# Altium PCB LAY-94611_B.PcbDoc (part 4 of 16)
Units mil, origin at the board's own origin, x right, y up, seen from the top; angles counter-clockwise.
Board outline 4133.86 x 2559.05 mil, 10 copper layers (TOP, GND02, ART03, PWR04, PWR05, ART06, GND7, ART08, GND09, BOTTOM), stack 57.82 mil thick; 1104 components, 727 nets, 3774 pads, 1630 vias.
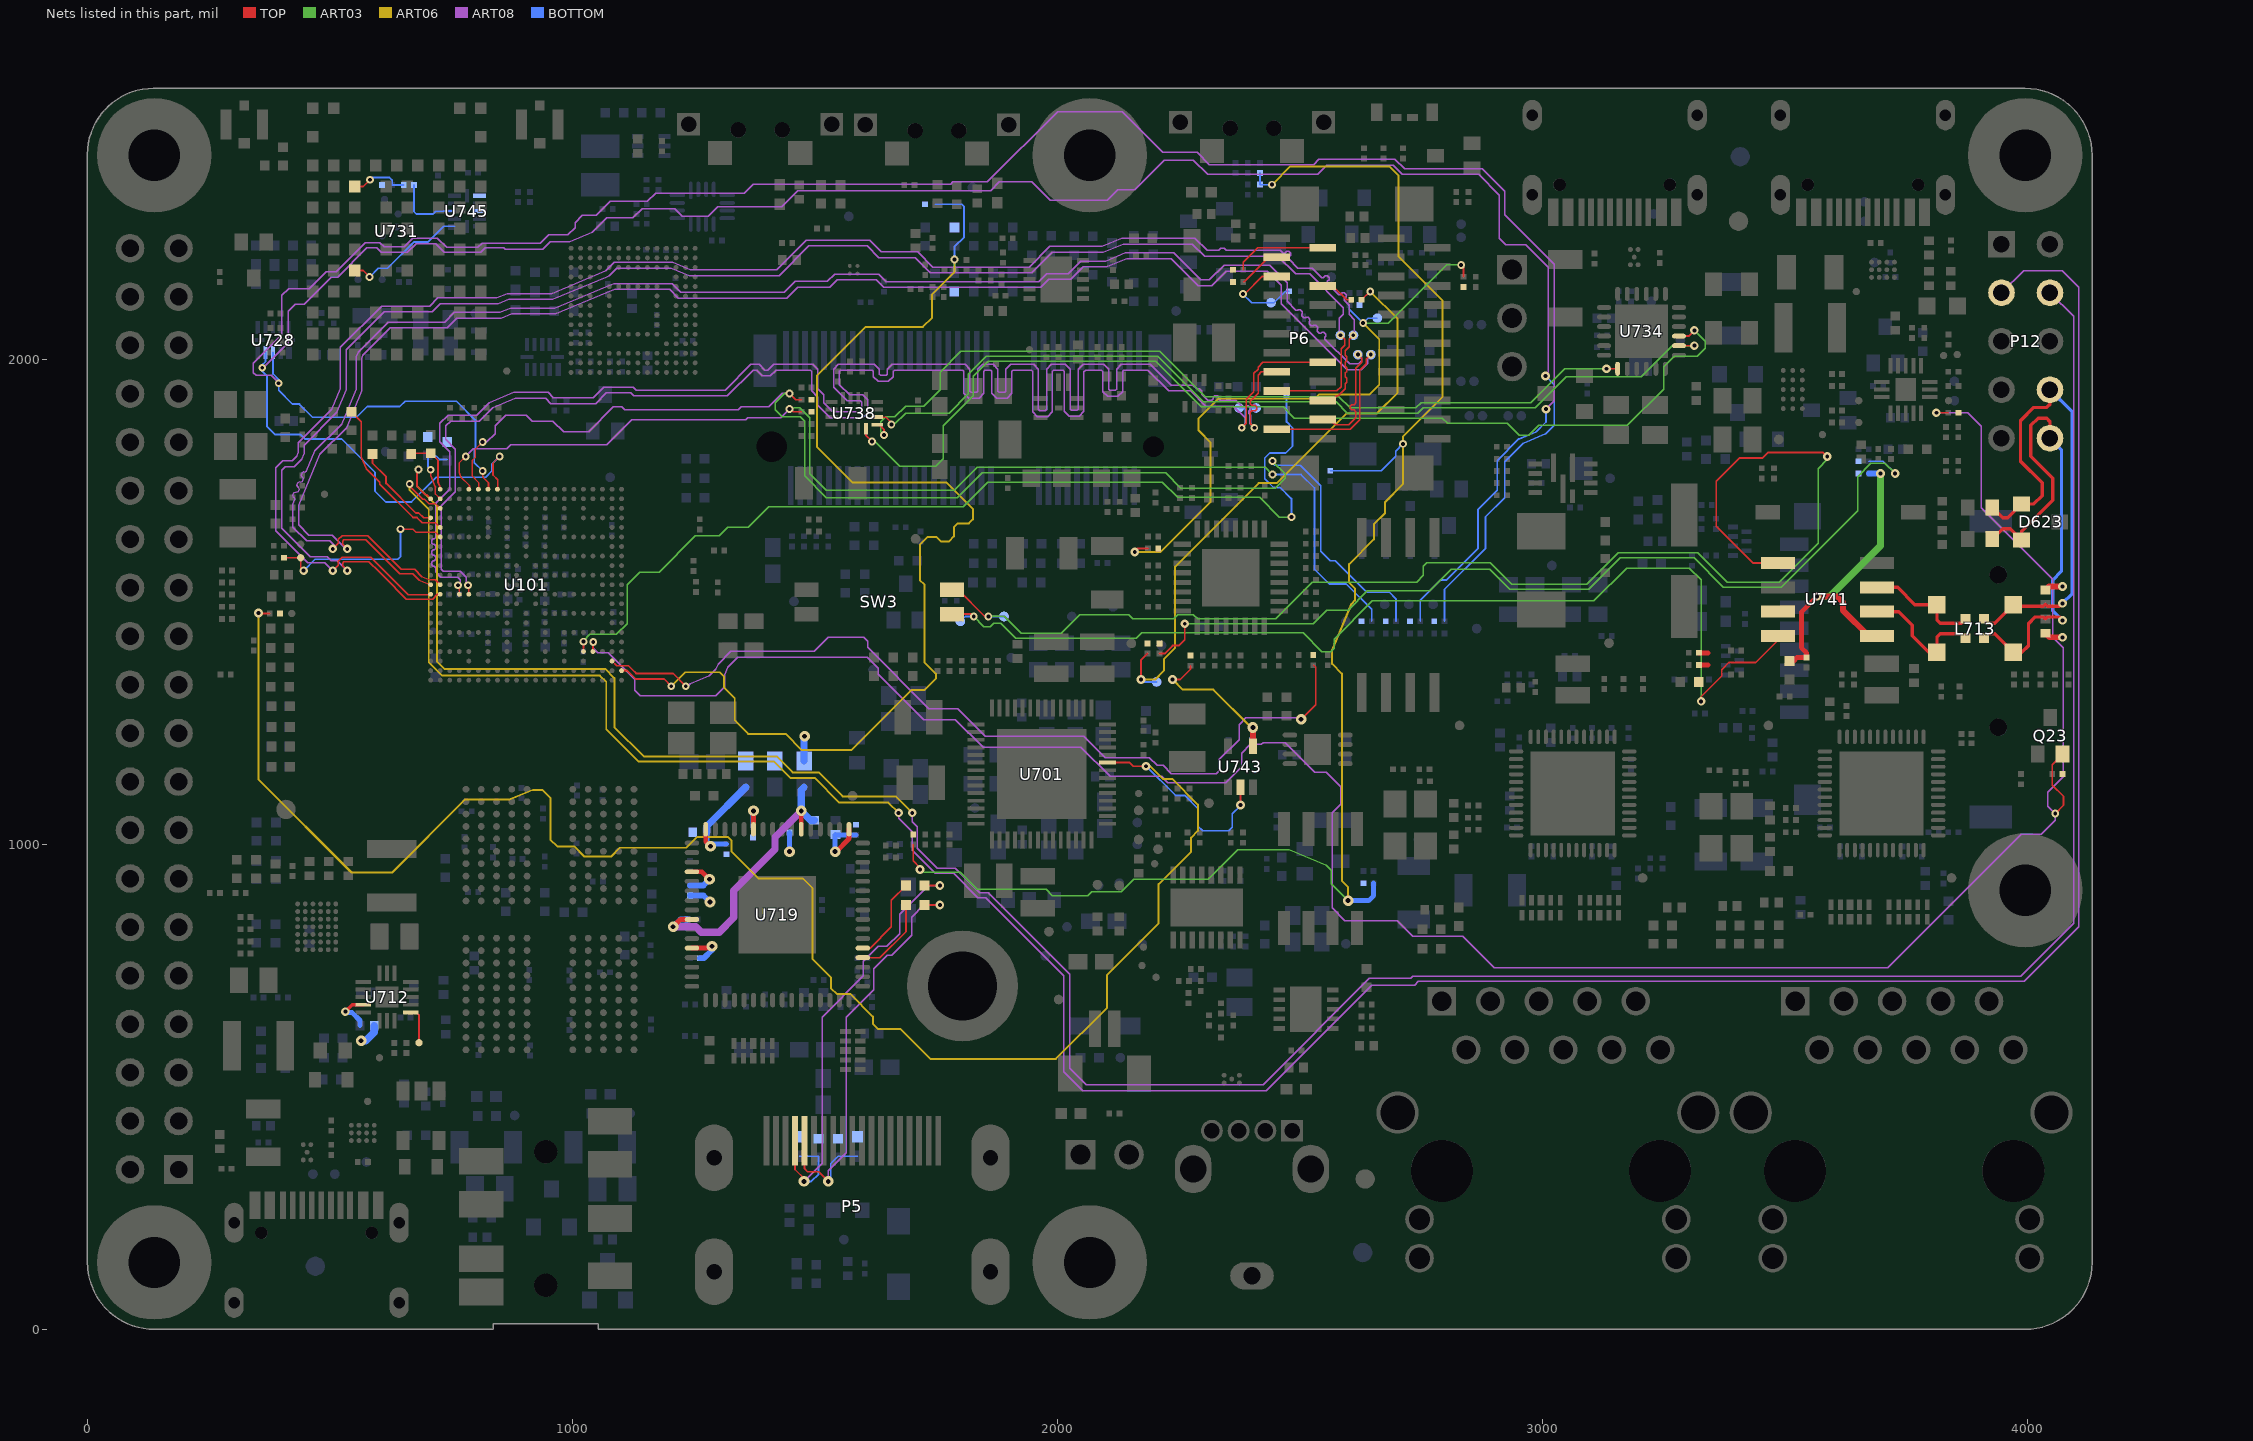
[diagram p12: the nets of this part, all layers, seen from the top]

## Part data (continued)
TP702 TP703 TP706 TP707 TP708 TP709 TP710 TP711 TP712 TP713 TP714 TP915 TP916 TP920 TP1022 TP1023 TP1024 TP1025 TP1026 TP1027 TP1028 TP1029 TP1030 TP1031 TP1032 TP1033 TP1034 TP1037 TP1038 TP1039 TP1040 TP1041 TP1042 TP1043 TP1046 TP1047 TP1048 TP1049 TP1050 TP1051 TP1052 TP1053 TP1054 TP1055 TP1056 TP1057 TP1058 TP1059 TP1060 TP1061 TP1062 TP1063 TP1064 TP1065 TP1066 TP1067 TP1068 TP1069 TP1070 TP1071 TP1072 TP1073 TP1074 TP1075 TP1076 TP1077 TP1078 TP1079 TP1080 TP1081 TP1082 TP1083 TP1084 TP1085 TP1086 TP1087 TP1088 TP1089 TP1090 TP1091 TP1092 TP1093 TP1094 TP1095: library part "T POINT R", "no part to order", ASSY_OPT=DNP, CAD_APPROVED=Yes, CLASS=IC, Height=0.1MM, MFG_NAME01="NOT A COMPONENT", MFG_PN01="NOT A COMPONENT", RoHS=Yes
  TP702: Part Reference=TP702, PCB Footprint=tpad_020
  TP703: Part Reference=TP703, PCB Footprint=tpad_020
  TP706: Part Reference=TP706, PCB Footprint=tpad_020
  TP707: Part Reference=TP707, PCB Footprint=tpad_020
  TP708: Part Reference=TP708, PCB Footprint=tpad_020
  TP709: Part Reference=TP709, PCB Footprint=tpad_020
  TP710: Part Reference=TP710, PCB Footprint=tpad_020
  TP711: Part Reference=TP711, PCB Footprint=tpad_020
  TP712: Part Reference=TP712, PCB Footprint=tpad_020
  TP713: Part Reference=TP713, PCB Footprint=tpad_020
  TP714: Part Reference=TP714, PCB Footprint=tpad_015
  TP915: Part Reference=TP915, PCB Footprint=tpad_020
  TP916: Part Reference=TP916, PCB Footprint=tpad_020
  TP920: Part Reference=TP920, PCB Footprint=tpad_020
  TP1022: Part Reference=TP1022, PCB Footprint=tpad_020
  TP1023: Part Reference=TP1023, PCB Footprint=tpad_020
  TP1024: Part Reference=TP1024, PCB Footprint=tpad_020
  TP1025: Part Reference=TP1025, PCB Footprint=tpad_020
  TP1026: Part Reference=TP1026, PCB Footprint=tpad_020
  TP1027: Part Reference=TP1027, PCB Footprint=tpad_020
  TP1028: Part Reference=TP1028, PCB Footprint=tpad_020
  TP1029: Part Reference=TP1029, PCB Footprint=tpad_020
  TP1030: Part Reference=TP1030, PCB Footprint=tpad_020
  TP1031: Part Reference=TP1031, PCB Footprint=tpad_020
  TP1032: Part Reference=TP1032, PCB Footprint=tpad_020
  TP1033: Part Reference=TP1033, PCB Footprint=tpad_020
  TP1034: Part Reference=TP1034, PCB Footprint=tpad_020
  TP1037: Part Reference=TP1037, PCB Footprint=tpad_020
  TP1038: Part Reference=TP1038, PCB Footprint=tpad_020
  TP1039: Part Reference=TP1039, PCB Footprint=tpad_020
  TP1040: Part Reference=TP1040, PCB Footprint=tpad_020
  TP1041: Part Reference=TP1041, PCB Footprint=tpad_020
  TP1042: Part Reference=TP1042, PCB Footprint=tpad_020
  TP1043: Part Reference=TP1043, PCB Footprint=tpad_020
  TP1046: Part Reference=TP1046, PCB Footprint=tpad_020
  TP1047: Part Reference=TP1047, PCB Footprint=tpad_020
  TP1048: Part Reference=TP1048, PCB Footprint=tpad_020
  TP1049: Part Reference=TP1049, PCB Footprint=tpad_020
  TP1050: Part Reference=TP1050, PCB Footprint=tpad_020
  TP1051: Part Reference=TP1051, PCB Footprint=tpad_020
  TP1052: Part Reference=TP1052, PCB Footprint=tpad_020
  TP1053: Part Reference=TP1053, PCB Footprint=tpad_020
  TP1054: Part Reference=TP1054, PCB Footprint=tpad_020
  TP1055: Part Reference=TP1055, PCB Footprint=tpad_020
  TP1056: Part Reference=TP1056, PCB Footprint=tpad_020
  TP1057: Part Reference=TP1057, PCB Footprint=tpad_020
  TP1058: Part Reference=TP1058, PCB Footprint=tpad_020
  TP1059: Part Reference=TP1059, PCB Footprint=tpad_020
  TP1060: Part Reference=TP1060, PCB Footprint=tpad_020
  TP1061: Part Reference=TP1061, PCB Footprint=tpad_020
  TP1062: Part Reference=TP1062, PCB Footprint=tpad_020
  TP1063: Part Reference=TP1063, PCB Footprint=tpad_020
  TP1064: Part Reference=TP1064, PCB Footprint=tpad_020
  TP1065: Part Reference=TP1065, PCB Footprint=tpad_020
  TP1066: Part Reference=TP1066, PCB Footprint=tpad_020
  TP1067: Part Reference=TP1067, PCB Footprint=tpad_020
  TP1068: Part Reference=TP1068, PCB Footprint=tpad_020
  TP1069: Part Reference=TP1069, PCB Footprint=tpad_020
  TP1070: Part Reference=TP1070, PCB Footprint=tpad_020
  TP1071: Part Reference=TP1071, PCB Footprint=tpad_020
  TP1072: Part Reference=TP1072, PCB Footprint=tpad_020
  TP1073: Part Reference=TP1073, PCB Footprint=tpad_020
  TP1074: Part Reference=TP1074, PCB Footprint=tpad_020
  TP1075: Part Reference=TP1075, PCB Footprint=tpad_020
  TP1076: Part Reference=TP1076, PCB Footprint=tpad_020
  TP1077: Part Reference=TP1077, PCB Footprint=tpad_020
  TP1078: Part Reference=TP1078, PCB Footprint=tpad_020
  TP1079: Part Reference=TP1079, PCB Footprint=tpad_020
  TP1080: Part Reference=TP1080, PCB Footprint=tpad_020
  TP1081: Part Reference=TP1081, PCB Footprint=tpad_020
  TP1082: Part Reference=TP1082, PCB Footprint=tpad_020
  TP1083: Part Reference=TP1083, PCB Footprint=tpad_020
  TP1084: Part Reference=TP1084, PCB Footprint=tpad_020
  TP1085: Part Reference=TP1085, PCB Footprint=tpad_020
  TP1086: Part Reference=TP1086, PCB Footprint=tpad_020
  TP1087: Part Reference=TP1087, PCB Footprint=tpad_020
  TP1088: Part Reference=TP1088, PCB Footprint=tpad_020
  TP1089: Part Reference=TP1089, PCB Footprint=tpad_020
  TP1090: Part Reference=TP1090, PCB Footprint=tpad_020
  TP1091: Part Reference=TP1091, PCB Footprint=tpad_020
  TP1092: Part Reference=TP1092, PCB Footprint=tpad_020
  TP1093: Part Reference=TP1093, PCB Footprint=tpad_020
  TP1094: Part Reference=TP1094, PCB Footprint=tpad_020
  TP1095: Part Reference=TP1095, PCB Footprint=tpad_020
U10: library part AT24C64D-MA9M_0, "FT24C256A-ENR-T,UDFN8", MFG_NAME01=ONSEMI, MFG_PN01=FT24C256A-ENR-T, Part Reference=U10, PCB Footprint=UDFN-8P
U101: library part MIMX9352DVNxLAA, "MIMX9352CVVXMAB,-40~105+C,11*11mm,0.5mm pitch,FCBGA,A,306pin,1.7GHz", CAD_APPROVED=Yes, CLASS=IC, FPLIST=skt_bga306_0p5_sq16p23_elast,skt_bga306_0p5_sq16p23_elast_nsp, Height=10.03MM, MFG_NAME01="NXP SEMICONDUCTORS", MFG_PN01=MIMX9352DVNxLAA, Part Reference=U101, PCB Footprint=skt_bga306_0p5_sq16p23_elast_nsp, RoHS=Yes
U201: library part MT53B768M32D4NQ_200P, "MT53E1G16D1ZW-046 WT:C,200-ball TFBGA,10x14.5,LPDDR4/LPDDR4x,2GB,-25+C~85+C,code:D8FCP", Temp Range="-40C to +105C¡ãC", Voltage=1.1V, CAD_APPROVED=Yes, CLASS=IC, Height=0.95MM, MFG_NAME01=MICRON, MFG_PN01="MT53E1G16D1ZW-046 WT:C", Part Reference=U201, PCB Footprint=bga200_0p65x0p8_10x14p5, PRE_APN=334-77894, RoHS=Yes, SPLIT_INST=TRUE, SWAP_INFO=(S1+S2), Temp_Range="-40C to +105C¡ãC"
U501: library part SDINBDA6_32G_I_VFBGA_153P, "FEMDRM032G-A3A55,153FBGA,eMMC5.1,32GB,-25~85+C", Temp Range="-25¡ãC to 85¡ãC", CAD_APPROVED=Yes, CLASS=IC, Height=1MM, MFG_NAME01=FORESEE, MFG_PN01=FEMDRM032G-A3A55, Part Reference=U501, PCB Footprint=fbga153_0p5_11p5x13, RoHS=Yes
U701: "PCA9451AHN,HVQFN56", Package Size=7x7, 3D_Mechanical_Footprint_File=ftp://fcl.am.freescale.net/ALLEGRO/step/hvqfn56_0p4_7x7_ep4p7mm.step, CAD_APPROVED=Yes, CLASS=IC, Height=1MM, MFG_NAME01="NXP SEMICONDUCTORS", MFG_PN01=PCA9451AHNY, Part Reference=U701, PCB Footprint=hvqfn56_0p4_7x7_ep4p7mm, PRE_APN=315-83273, RoHS=Yes, SPLIT_INST=TRUE, SWAP_INFO=(S1+S2+S3)
U702: library part MP8759_6, MFG_NAME01=MPS, MFG_PN01=MP8759, Part Reference=U702, PCB Footprint=qfn12_0p5_3p1x2p1
U703: "FDS4435BZ,SO-8,PMOS", MFG_NAME01=onsemi, MFG_PN01=FDS4435BZ, Part Reference=U703, PCB Footprint=SOP8_1_27
U704: library part NX20P5090UK_15P_A, "IC USB PWR SW 5A 2.5-20V WLCSP15", Manufacturer="NXP Semiconductors", CLASS=IC, Manufacturer Part Number=NX20P5090UK, MFG_NAME01="NXP SEMICONDUCTORS", MFG_PN01=NX20P5090UKAZ, Part Reference=U704, PCB Footprint=wlcsp15_0p5_1p57x2p59
U705 U712: library part PTN5110_QFN16, "IC USB PD PHY 1PORT 2.7-5.5V HX2QFN16", Temp Range="¨C40C to +85C", Voltage=2.7-5.5V, CAD_APPROVED=Yes, CLASS=IC, Height=0.4MM, MFG_NAME01="NXP SEMICONDUCTORS", MFG_PN01=PTN5110NHQZ, PCB Footprint=hx2qfn16_0p4_2p7x2p7, RoHS=Yes, Temp_Range="¨C40C to +85C"
  U705: Part Reference=U705
  U712: Part Reference=U712
U706 U709: library part NX20P0407_WLCSP12_A, "IC USB TYPE C PROTECTION +15KV/+8KV ESD WLCSP12", Manufacturer="NXP Semiconductors", Manufacturer Part Number=NX20P5090UK, Temp Range="-40C to +85C", Voltage=+15KV/+8KV, CAD_APPROVED=Yes, CLASS=IC, Height="0.565 MM", MFG_NAME01="NXP SEMICONDUCTORS", MFG_PN01=NX20P0407, PCB Footprint=wlcsp12_0p4_1p3x1p7mm_smdp, PRE_APN=312-81846, RoHS=Yes
  U706: Part Reference=U706
  U709: Part Reference=U709
U707: library part SGM2034-3_0.3YN3G, "TLV76033DBZR,SOT23-3,Fixed output linear voltage regulator, up to 30V input, 100mA output, 3.3V output", MFG_NAME01=Nexperia, MFG_PN01=TLV76033DBZR, Part Reference=U707, PCB Footprint=sot23_a
U708: "SGM8709YN5G/TR,SOT-23-5,Single channel comparator", Temp Range="-40C to +85C", Voltage=1.4-5.5V, CAD_APPROVED=Yes, CLASS=IC, Height=1.25MM, MFG_NAME01=SGMICRO, MFG_PN01=SGM8709YN5G/TR, Part Reference=U708, PCB Footprint=SOT-23-5, RoHS=Yes, Temp_Range="-40C to +85C"
U710: library part NX20P3483UK_42P, "IC USB PD/TYPE-C PWR Sink/Source Combo SW 5A 2.8-20V WLCSP42", Manufacturer="NXP Semiconductors", Manufacturer Part Number=NX20P5090UK, Temp_Range="-40C to +85C", CAD_APPROVED=Yes, CLASS=IC, Height=0.565MM, MFG_NAME01="NXP SEMICONDUCTORS", MFG_PN01=NX20P3483UK, Part Reference=U710, PCB Footprint=wlcsp42_0p4_2p94x2p54_smdp, PRE_APN=315-81752, RoHS=Yes
U711 U735 U736: library part PESD1USB30_5P, "IC EMI FILTER ESD PROTECTION 15kV/LINE WLCSP5", Manufacturer="NXP Semiconductors", Manufacturer Part Number=PESD1USB30, 3D_Mechanical_Footprint_File=http://fcl.am.freescale.net/ALLEGRO/step/wlcsp5_0p4_0p82x1p22.STEP, CAD_APPROVED=Yes, CLASS=IC, Height=0.6MM, MFG_NAME01=NEXPERIA, MFG_PN01=PCMF1USB3SZ, PCB Footprint=wlcsp5_0p4_0p82x1p22, RoHS=Yes
  U711: Part Reference=U711
  U735: Part Reference=U735
  U736: Part Reference=U736
U714: library part TPD4E05U06DQAR_6, "TPD4E05U06DQAR,USON", MFG_NAME01=TI, MFG_PN01=TPD4E05U06DQAR, Part Reference=U714, PCB Footprint=USON-10
U715: library part TPD4E05U06DQAR_7, "TPD4E05U06DQAR,USON", MFG_NAME01=TI, MFG_PN01=TPD4E05U06DQAR, Part Reference=U715, PCB Footprint=USON-10
U717: library part TPD4E05U06DQAR_8, "TPD4E05U06DQAR,USON", MFG_NAME01=TI, MFG_PN01=TPD4E05U06DQAR, Part Reference=U717, PCB Footprint=USON-10
U718: library part TPD4E05U06DQAR_9, "TPD4E05U06DQAR,USON", MFG_NAME01=TI, MFG_PN01=TPD4E05U06DQAR, Part Reference=U718, PCB Footprint=USON-10
U719: "IT6263FN,QFN64,9*9mm,LVDS to HDMI", MFG_NAME01=ITE, MFG_PN01=IT6263FN, Part Reference=U719, PCB Footprint=qfn64_0p5_9x9_157ep
U720: library part TPD4E05U06DQAR_10, "TPD4E05U06DQAR,USON", MFG_NAME01=TI, MFG_PN01=TPD4E05U06DQAR, Part Reference=U720, PCB Footprint=USON-10
U721: library part TPD4E05U06DQAR_5, "TPD4E05U06DQAR,USON", MFG_NAME01=TI, MFG_PN01=TPD4E05U06DQAR, Part Reference=U721, PCB Footprint=USON-10
U722: library part MBR0540_0, "MBR0540,SOD123", MFG_NAME01=Cystek, MFG_PN01=MBR0540, Part Reference=U722, PCB Footprint=SOD_123
U723 U730: "MP1605GTF,SOT563", MFG_NAME01=MPS, MFG_PN01=MP1605GTF, PCB Footprint=SOT563
  U723: Part Reference=U723
  U730: Part Reference=U730
U724: library part NLSX5011_0, "NLSX5011MUTCG,UDFN6,1.2*1.0,0.4P,One 100Mb/s configurable dual power level converter", Package Size="1.2x1x0.55 mm", Temp Range="-55¡ãC to +125¡ãC", Voltage=0.9-4.5V, 3D_Mechanical_Footprint_File=ftp://fcl.am.freescale.net/ALLEGRO/step/udfn6_0p4_1p2x1.STEP, CAD_APPROVED=Yes, CLASS=IC, Height=0.55MM, MFG_NAME01="ON Semiconductor", MFG_PN01=NLSX5011MUTCG, Part Reference=U724, PCB Footprint=udfn6_0p4_1p2x1, RoHS=Yes
U725: library part PCAL6524HE_QFN, "PCAL6524HEAZ,QFN32", Temp Range="-40C to +85C", Voltage=0.8-3.6V/1.65-5.5, 3D_Mechanical_Footprint_File=ftp://fcl.am.freescale.net/ALLEGRO/step/uqfn32_0p5_5x5_ep3x3.step, CAD_APPROVED=Yes, CLASS=IC, Height=0.6MM, MFG_NAME01="NXP SEMICONDUCTORS", MFG_PN01=PCAL6524HEAZ, Part Reference=U725, PCB Footprint=uqfn32_0p5_5x5_ep3x3, RoHS=Yes
U726: library part MP2147GD_QFN_11P, CAD_APPROVED=Yes, CLASS=IC, Height=1MM, MFG_NAME01=MPS, MFG_PN01=MP2147GD, Part Reference=U726, PCB Footprint=qfn12_0p5_2x3mm_ep, RoHS=Yes
U728 U729 U745: library part TXB0304RUT_12P_B_0, "74AVC4T3144GU12,XQFN12,1.70*2.0,4-bit dual-supply buffer/level translator;3-state", Voltage=0.9-3.6V, 3D_Mechanical_Footprint_File=ftp://fcl.am.freescale.net/ALLEGRO/step/uqfn12_1p7x2mm.STEP, CAD_APPROVED=Yes, CLASS=IC, Height="0.55 MM", MFG_NAME01=NXP, MFG_PN01=74AVC4T3144, PCB Footprint=uqfn12_1p7x2mm, RoHS=Yes
  U728: Part Reference=U728
  U729: Part Reference=U729
  U745: Part Reference=U745
U731: "MAYA-W276,LGA86,10.4*14.3*2.0mm,0-70+C(SDIO,UART,SPI)", MFG_NAME01=Ublox, MFG_PN01=MAYA-W276, Part Reference=U731, PCB Footprint=MAYA-W2
U732: library part "CW3301_Load Switch", "SGM2575AD,WLCSP_4B,0.8*0.8mm,-40~85+C", MFG_NAME01=SGMICRO, MFG_PN01=SGM2575, Option=/TCS9719, Part Reference=U732, PCB Footprint=WLCSP_0_8_4B
U733: library part SGM2526_2, "SGM2526YTD10G/TR,TDFN-3x3-10L,-40+C~85+C,Imax 5A", MFG_NAME01=SGMICRO, MFG_PN01=SGM2526, Part Reference=U733, PCB Footprint=tdfn_3x3_10l
U737: library part SGM2034-3_1.3YN3G, "TLV76033DBZR,SOT23-3,Fixed output linear voltage regulator, up to 30V input, 100mA output, 3.3V output", MFG_NAME01=Nexperia, MFG_PN01=TLV76033DBZR, Part Reference=U737, PCB Footprint=sot23_a
U738: "SN74AVC4T245RSVR,UQFN16_2.6x1.8mm", MFG_NAME01=TI, MFG_PN01=SN74AVC4T245RSVR, Part Reference=U738, PCB Footprint=UQFN16_26x18
U740: library part PCF2131_4, "PCF2131TF,HLSON16,Nano-power highly accurate RTC with integrated quartz crystal", CAD_APPROVED=Yes, CLASS=IC, Height=1.75MM, MFG_NAME01=Nexperia, MFG_PN01=PCF2131TF, Part Reference=U740, PCB Footprint=so16_0p5_3p5x4p5_mm, RoHS=Yes
U741: "TJA1051T/3,SO8", MFG_NAME01="NXP SEMICONDUCTORS", MFG_PN01=TJA1051T/3, Part Reference=U741, PCB Footprint=SOP8_1_27
U742: library part SGM2526_3, "SGM2526YTD10G/TR,TDFN-3x3-10L,-40+C~85+C,Imax 5A", MFG_NAME01=SGMICRO, MFG_PN01=SGM2526, Part Reference=U742, PCB Footprint=tdfn_3x3_10l
U743: "74AUP1G07GW,TSSOP5,1.2*2mm,Low-power buffer with open-drain output", Voltage=0.8-3.6V, CAD_APPROVED=Yes, CLASS=IC, Height=1.1MM, MFG_NAME01=TI, MFG_PN01=74AUP1G07GW, Part Reference=U743, PCB Footprint=sc70-5, RoHS=Yes
U746: library part MBR0540_1, "MBR0540,SOD123", MFG_NAME01=Cystek, MFG_PN01=MBR0540, Part Reference=U746, PCB Footprint=SOD_123
U747: library part MBR0540_2, "MBR0540,SOD123", MFG_NAME01=Cystek, MFG_PN01=MBR0540, Part Reference=U747, PCB Footprint=SOD_123
U748: "PCAL6408AHK,XQFN16,-40~85+C,I2C Extended 8-bit GPIO", MFG_NAME01=NXP, MFG_PN01=PCAL6408AHK, Part Reference=U748, PCB Footprint=XQFN16
Y401: library part XTAL_13, "Crystal,24MHZ,4P,3.2*2.5mm,+/-20ppm,12pF", CAD_APPROVED=Yes, CLASS=IC, Height=0.60MM, MFG_NAME01="Dongxin Hengke", MFG_PN01=SE24000G33D, Part Reference=Y401, PCB Footprint=xtlosc4_3p2x2p5mm_sm, RoHS=Yes
Y402 Y403: library part CRYSTAL_4P-TSX-3225, "Crystal,25MHZ,4P,3.2*2.5mm,+/-20ppm,20pf", MFG_NAME01="Dongxin Hengke", MFG_PN01=SE25000O33D, PCB Footprint=xtlosc4_3p2x2p5mm_sm, serial number=1110601039
  Y402: Part Reference=Y402
  Y403: Part Reference=Y403
Y404: library part XTAL_13, "Crystal,27MHZ,4P,3.2*2.5mm,+/-20ppm,20pf", CAD_APPROVED=Yes, CLASS=IC, Height=0.60MM, MFG_NAME01=SCTF, MFG_PN01=SX5B27.000F2020F30, Part Reference=Y404, PCB Footprint=xtlosc4_3p2x2p5mm_sm, RoHS=Yes
D602: MFG_NAME01=WILLSEMI, MFG_PN01=ESD5451N-2/TR, Part Reference=D602, PCB Footprint=0402TVS
D604: MFG_NAME01=WILLSEMI, MFG_PN01=ESD5451N-2/TR, Part Reference=D604, PCB Footprint=0402TVS
D605: MFG_NAME01=WILLSEMI, MFG_PN01=ESD5451N-2/TR, Part Reference=D605, PCB Footprint=0402TVS
D609: MFG_NAME01=WILLSEMI, MFG_PN01=ESD5451N-2/TR, Part Reference=D609, PCB Footprint=0402TVS
D615: MFG_NAME01=WILLSEMI, MFG_PN01=ESD5451N-2/TR, Part Reference=D615, PCB Footprint=0402TVS
D616: MFG_NAME01=Nexperia, MFG_PN01=PUSB3AB6Z, Part Reference=D616, PCB Footprint=DFN2111_7
D617: MFG_NAME01=Nexperia, MFG_PN01=PUSB3AB6Z, Part Reference=D617, PCB Footprint=DFN2111_7
D619: MFG_NAME01=WILLSEMI, MFG_PN01=ESD5451N-2/TR, Part Reference=D619, PCB Footprint=0402TVS
D620: MFG_NAME01=WILLSEMI, MFG_PN01=ESD5451N-2/TR, Part Reference=D620, PCB Footprint=0402TVS
D626: MFG_NAME01=WILLSEMI, MFG_PN01=ESD5451N-2/TR, Part Reference=D626, PCB Footprint=0402TVS
D628: MFG_NAME01=WILLSEMI, MFG_PN01=ESD5451N-2/TR, Part Reference=D628, PCB Footprint=0402TVS
U713: MFG_NAME01=MotorComm, MFG_PN01=YT8521SH-CA, Part Reference=U713, PCB Footprint=QFN48P_0_4BSC_6x6_H
U716: MFG_NAME01=MotorComm, MFG_PN01=YT8521SH-CA, Part Reference=U716, PCB Footprint=QFN48P_0_4BSC_6x6_H
U734: MFG_NAME01=WCH, MFG_PN01=CH342F, Part Reference=U734, PCB Footprint=QFN24P_0_5

## Free pads (board coordinates)
  round 40 smd: 1(409.4,1072.16) 1(2635,310) 1(3405,2285)
  round 40 smd far side: 1(470,130) 1(2629.9,158.16) 1(3408.4,2418.16)

## Via types
v1: diameter 16/16/0/0/0/0/16/0/16/16 (per signal layer), hole 8, TOP to BOTTOM, tented both sides, 177 vias
v2: diameter 22/22/0/0/0/0/22/0/22/22 (per signal layer), hole 10, TOP to BOTTOM, tented both sides, 156 vias
v3: diameter 16/0/16/0/0/0/0/0/0/16 (per signal layer), hole 8, TOP to BOTTOM, tented both sides, 137 vias
v4: diameter 16/0/0/0/0/16/0/0/0/16 (per signal layer), hole 8, TOP to BOTTOM, tented both sides, 94 vias
v5: diameter 16, hole 8, TOP to BOTTOM, tented both sides, 88 vias
v6: diameter 18/0/0/0/0/0/0/18/0/18 (per signal layer), hole 8, TOP to BOTTOM, tented both sides, 84 vias
v7: diameter 22, hole 10, TOP to BOTTOM, tented both sides, 83 vias
v8: diameter 18, hole 8.1, TOP to BOTTOM, tented both sides, 78 vias
v9: diameter 16/0/0/0/0/0/0/16/0/16 (per signal layer), hole 8, TOP to BOTTOM, tented both sides, 77 vias
v10: diameter 18/18/0/0/0/0/18/0/18/18 (per signal layer), hole 8, TOP to BOTTOM, tented both sides, 62 vias
v11: diameter 18/0/18/0/0/0/0/0/0/18 (per signal layer), hole 8, TOP to BOTTOM, tented both sides, 50 vias
v12: diameter 16/0/0/16/0/0/0/0/0/16 (per signal layer), hole 8, TOP to BOTTOM, tented both sides, 49 vias
v13: diameter 22/0/0/0/22/0/0/0/0/22 (per signal layer), hole 10, TOP to BOTTOM, tented both sides, 49 vias
v14: diameter 22/0/22/0/0/0/0/0/0/22 (per signal layer), hole 10, TOP to BOTTOM, tented both sides, 48 vias
v15: diameter 18, hole 8, TOP to BOTTOM, tented both sides, 47 vias
v16: diameter 16/0/0/0/16/0/0/0/0/16 (per signal layer), hole 8, TOP to BOTTOM, tented both sides, 40 vias
v17: diameter 22/0/0/22/0/0/0/0/0/22 (per signal layer), hole 10, TOP to BOTTOM, tented both sides, 40 vias
v18: diameter 22/0/0/0/0/0/0/22/0/22 (per signal layer), hole 10, TOP to BOTTOM, tented both sides, 31 vias
v19: diameter 22/0/0/0/0/22/0/0/0/22 (per signal layer), hole 10, TOP to BOTTOM, tented both sides, 30 vias
v20: diameter 18/0/0/0/0/18/0/0/0/18 (per signal layer), hole 8, TOP to BOTTOM, tented both sides, 27 vias
v21: diameter 16/16/16/0/0/0/0/0/0/16 (per signal layer), hole 8, TOP to BOTTOM, tented both sides, 24 vias
v22: diameter 16/0/16/0/0/16/0/0/0/16 (per signal layer), hole 8, TOP to BOTTOM, tented both sides, 14 vias
v23: diameter 22/22/0/22/0/0/22/0/22/22 (per signal layer), hole 10, TOP to BOTTOM, tented both sides, 14 vias
v24: diameter 16/16/16/0/0/0/16/0/16/16 (per signal layer), hole 8, TOP to BOTTOM, tented both sides, 11 vias
v25: diameter 18/0/0/0/0/18/0/18/0/18 (per signal layer), hole 8, TOP to BOTTOM, tented both sides, 11 vias
v26: diameter 18/0/0/18/0/0/0/0/0/18 (per signal layer), hole 8, TOP to BOTTOM, tented both sides, 11 vias
v27: diameter 18/0/0/0/18/0/0/0/0/18 (per signal layer), hole 8, TOP to BOTTOM, tented both sides, 10 vias
v28: diameter 16/0/16/0/0/0/0/16/0/16 (per signal layer), hole 8, TOP to BOTTOM, tented both sides, 8 vias
v29: diameter 16/16/0/16/0/0/16/0/16/16 (per signal layer), hole 8, TOP to BOTTOM, tented both sides, 8 vias
v30: diameter 18/18/0/18/0/0/18/0/18/18 (per signal layer), hole 8, TOP to BOTTOM, tented both sides, 6 vias
v31: diameter 22/0/0/0/22/22/0/0/0/22 (per signal layer), hole 10, TOP to BOTTOM, tented both sides, 6 vias
v32: diameter 16/0/16/16/0/0/0/0/0/16 (per signal layer), hole 8, TOP to BOTTOM, tented both sides, 5 vias
v33: diameter 18/18/0/18/18/0/18/0/18/18 (per signal layer), hole 8, TOP to BOTTOM, tented both sides, 5 vias
v34: diameter 16/0/0/0/0/16/0/16/0/16 (per signal layer), hole 8, TOP to BOTTOM, tented both sides, 4 vias
v35: diameter 22/0/22/22/0/0/0/0/0/22 (per signal layer), hole 10, TOP to BOTTOM, tented both sides, 4 vias
v36: diameter 16/0/16/16/0/16/0/0/0/16 (per signal layer), hole 8, TOP to BOTTOM, tented both sides, 3 vias
v37: diameter 22/22/0/0/22/0/22/0/22/22 (per signal layer), hole 10, TOP to BOTTOM, tented both sides, 3 vias
v38: diameter 22/0/0/22/22/22/0/0/0/22 (per signal layer), hole 10, TOP to BOTTOM, tented both sides, 3 vias
v39: diameter 22/0/22/0/0/22/0/0/0/22 (per signal layer), hole 10, TOP to BOTTOM, tented both sides, 3 vias
v40: diameter 22/0/22/0/0/0/0/22/0/22 (per signal layer), hole 10, TOP to BOTTOM, tented both sides, 3 vias
v41: diameter 16/0/16/0/16/0/0/0/0/16 (per signal layer), hole 8, TOP to BOTTOM, tented both sides, 3 vias
v42: diameter 22/22/0/22/22/0/22/0/22/22 (per signal layer), hole 10, TOP to BOTTOM, tented both sides, 2 vias
v43: diameter 18/0/18/0/0/0/0/18/0/18 (per signal layer), hole 8, TOP to BOTTOM, tented both sides, 2 vias
v44: diameter 22/0/0/22/0/22/0/0/0/22 (per signal layer), hole 10, TOP to BOTTOM, tented both sides, 2 vias
v45: diameter 22/0/0/0/0/22/0/22/0/22 (per signal layer), hole 10, TOP to BOTTOM, tented both sides, 2 vias
v46: diameter 22/0/22/0/22/0/0/0/0/22 (per signal layer), hole 10, TOP to BOTTOM, tented both sides, 2 vias
v47: diameter 22/0/0/22/22/0/0/0/0/22 (per signal layer), hole 10, TOP to BOTTOM, tented both sides, 2 vias
v48: diameter 16/0/0/16/0/16/0/0/0/16 (per signal layer), hole 8, TOP to BOTTOM, tented both sides, 1 vias
v49: diameter 18/0/18/0/0/18/0/0/0/18 (per signal layer), hole 8, TOP to BOTTOM, tented both sides, 1 vias
v50: diameter 18/18/0/0/18/0/18/0/18/18 (per signal layer), hole 8, TOP to BOTTOM, tented both sides, 1 vias
v51: diameter 16/16/0/16/16/0/16/0/16/16 (per signal layer), hole 8, TOP to BOTTOM, tented both sides, 1 vias
v52: diameter 18/0/18/0/18/0/0/0/0/18 (per signal layer), hole 8, TOP to BOTTOM, tented both sides, 1 vias
v53: diameter 18/0/0/0/18/18/0/0/0/18 (per signal layer), hole 8, TOP to BOTTOM, tented both sides, 1 vias
v54: diameter 22/0/22/0/22/22/0/22/0/22 (per signal layer), hole 10, TOP to BOTTOM, tented both sides, 1 vias
v55: diameter 22/0/0/0/22/22/0/22/0/22 (per signal layer), hole 10, TOP to BOTTOM, tented both sides, 1 vias
v56: diameter 16/16/16/0/0/0/16/0/0/16 (per signal layer), hole 8, TOP to BOTTOM, tented both sides, 1 vias
v57: diameter 22/0/0/22/0/0/0/22/0/22 (per signal layer), hole 10, TOP to BOTTOM, tented both sides, 1 vias
v58: diameter 16/0/0/0/16/16/0/0/0/16 (per signal layer), hole 8, TOP to BOTTOM, tented both sides, 1 vias
v59: diameter 16/0/0/16/16/0/0/0/0/16 (per signal layer), hole 8, TOP to BOTTOM, tented both sides, 1 vias

## Nets (pads, with @x,y where several pads share a name; then routed paths per layer and width w, separated by ;. In a path a pad name is that pad's centre, name@x,y a point inside that pad or via, vN(x,y) a via of type N, cw(c..) or ccw(c..) an arc to the next point about the centre after c; other vN are vias at no path point)
#BOOT_MODE0: R2586.2 R2973.1 U101.E21 | length 2420.1
  TOP w3.2: v9(780.01,1800) 766.3,1786.29 766.3,1766.82 770.06,1757.74 787.85,1739.95 787.85,1733.7 U101.E21@786.49,1732.34
  TOP w3.62: v28(1447.8,1898) 1449.8,1898 1455.8,1892 1472.29,1892
  ART03 w3.09: v28(1447.8,1898) 1449.8,1900 1468.8,1900 1489.2,1879.6 1489.2,1764.31 1523.31,1730.2 1787.99,1730.2 1835.29,1777.5 2428.9,1777.5 v3(2443.8,1762.6)
  ART08 w3.09: v9(780.01,1800) 795.51,1815.5 864.3,1815.5 872.8,1824 1070.8,1824 1122.48,1875.68 1357.48,1875.68 1361.8,1880 1429.8,1880 v28(1447.8,1898)
  BOTTOM w3.62: v3(2443.8,1762.6) 2502.66,1762.6 2530.4,1734.86 2530.4,1567.41 2560.81,1537 2595.8,1537 2648.31,1484.49 2648.31,1460
#BOOT_MODE1: R2587.2 R2972.1 U101.F21 | length 2691.6
  TOP w3.2: U101.F21@806.17,1732.34 806.65,1732.82 806.65,1746.15 793.8,1759 793.8,1792 799.4,1797.6 799.4,1814.39 v9(815.01,1830)
  TOP w3.62: v28(1447.8,1930) 1460.8,1917 1472.29,1917
  ART03 w3.09: v28(1447.8,1930) 1437.8,1930 1418.8,1911 1418.8,1896 1432.8,1882 1469.8,1882 1478.8,1873 1478.8,1760 1524,1714.8 1793.6,1714.8 1844.8,1766 2223.79,1766 2255.04,1734.75 2449.55,1734.75 2469.8,1755 2469.8,1764.5 v3(2443.8,1790.5)
  ART08 w3.09: v9(815.01,1830) 823.81,1830 840.8,1846.99 840.8,1863 862.3,1884.5 905.3,1884.5 916.8,1873 959.8,1873 981.8,1851 1033.8,1851 1084.8,1902 1101.8,1902 1107.94,1895.86 1341.66,1895.86 1347.8,1902 1404.8,1902 1432.8,1930 v28(1447.8,1930)
  BOTTOM w3.62: v3(2443.8,1790.5) 2443.8,1786.2 2448,1782 2500.8,1782 2543.4,1739.4 2543.4,1604.4 2562.8,1585 2573.31,1585 2638.31,1520 2685,1520 2698.31,1506.69 2698.31,1460
#BOOT_MODE2: R2589.2 U101.G21 U728.3 | length 4787.9
  TOP w3.2: v5(815.01,1770) 815.01,1757.8 827.09,1745.72 827.09,1733.57 U101.G21@825.86,1732.34
  ART08 w3.09: v9(394.3,1950.99) 394.3,1951.74 379.04,1967 347.8,1967 341.8,1973 341.8,1992.01 400.8,2051.01 400.8,2132.01 414.79,2146 457.8,2146 492.8,2181 512.8,2181 572.8,2241 602.8,2241 611.8,2232 652.8,2232 670.8,2250 721.8,2250 740.8,2231 804.8,2231 813.8,2240 933.8,2240 950.8,2257 990.8,2257 1005.8,2272 1005.8,2282 1020.8,2297 1048.8,2297 1077.8,2326 1154.8,2326 1171.8,2343 1354.8,2343 1372.8,2361 1779.8,2361 1784.8,2366 1855.8,2366 2000.8,2511 2133.8,2511 2217.8,2427 2288.8,2427 2313.8,2402 2528.51,2402 2539.51,2413 2696.36,2413 2716.36,2393 2876.8,2393 2922.8,2347 2922.8,2298 3024.8,2196 3024.8,1914.5 v6(3007.8,1897.5)
  BOTTOM w3.62: U728.3@382.8,2014.21 382.8,1970 394.55,1958.25 394.55,1951.24 v9(394.3,1950.99) 394.55,1950.74 394.55,1936.24 422.89,1907.9 437.1,1907.9 464,1881 554.8,1881 576.9,1903.1 644.1,1903.1 655,1914 761,1914 800,1875 800,1817.2 797.8,1815 797.8,1787.21 v5(815.01,1770) ; 2748.31,1460 2748.31,1503.31 2790,1545 2801.92,1545 2867.8,1610.88 2867.8,1691 2907.3,1730.5 2907.3,1791.5 2951.89,1836.09 2987.74,1850.94 3007.8,1871 v6(3007.8,1897.5)
#BOOT_MODE3: R2590.2 U101.H21 U728.4 | length 4789.3
  TOP w3.2: U101.H21@845.54,1732.34 845.89,1732.69 845.89,1751.91 836.3,1761.5 836.3,1786.29 v5(850.01,1800)
  ART08 w3.09: v9(360.55,1983) 362.56,1983 413.8,2034.24 413.8,2099 428.8,2114 446.8,2114 502.8,2170 515.8,2170 575.8,2230 596.8,2230 605.8,2221 659.8,2221 677.8,2239 717.8,2239 735.8,2221 810.8,2221 820.3,2230.5 858.3,2230.5 861.8,2227 938.8,2227 954.8,2243 994.59,2243 1041.04,2262.24 1070.8,2292 1124.8,2292 1143.8,2311 1210.8,2311 1226.8,2295 1279.8,2295 1299.8,2315 1431.8,2315 1464.8,2348 1862.8,2348 1880.8,2366 1947.8,2366 1985.8,2328 2102.8,2328 2124.8,2350 2159.8,2350 2220.8,2411 2280.8,2411 2309.8,2382 2536.8,2382 2555.8,2401 2692.8,2401 2711.8,2382 2868.8,2382 2911.8,2339 2911.8,2250 2924.8,2237 2965.8,2237 3012.8,2190 3012.8,1972 v6(3006.8,1966)
  BOTTOM w3.62: U728.4@367.05,2014.21 367.05,1995.25 360.55,1988.75 v9(360.55,1983) 360.55,1975.74 370,1966.29 370,1862 387,1845 439.8,1845 448.8,1836 524.3,1836 593,1767.3 593,1728 615,1706 668,1706 719,1757 821,1757 833.9,1769.9 833.9,1783.89 v5(850.01,1800) ; 2798.31,1460 2798.31,1525.51 2882.8,1610 2882.8,1675 2922.8,1715 2922.8,1789 2961.14,1827.34 3007.25,1846.45 3024.8,1864 3024.8,1948 v6(3006.8,1966)
A16_POR_B: R406.1 U701.9 U743.2 | length 3805.4
  TOP w3.62: v20(352.8,1476.99) 353.79,1476 375.8,1476 ; U701.9@2103.63,1168.62 2149.18,1168.62 2156.8,1161 v20(2182.8,1161) ; v15(2377.8,1081) U743.2@2377.8,1117.5
  ART06 w4: v20(352.8,1476.99) 352.8,1133.73 544.53,942 628.6,942 779.2,1092.6 870.47,1092.6 918.41,1112.5 938.3,1112.5 954.8,1096 954.8,1010 968.8,996 1003.8,996 1024.8,975 1079.8,975 1097.8,993 1235.07,993 1257.57,1015.5 1320.03,1015.5 1328.3,1007.23 1328.3,985.23 1383.53,930 1475.26,930 1494.8,910.46 1494.8,764 1533.3,725.5 1533.3,703.5 1545.8,691 1573.8,691 1619.8,645 1619.8,630 1630.8,619 1676.8,619 1738.3,557.5 1997.3,557.5 2102.3,662.5 2102.3,730.5 2208.8,837 2208.8,918 2275.8,985 2275.8,1014 2289.8,1028 2289.8,1082 2236.8,1135 2217.8,1135 2191.8,1161 v20(2182.8,1161)
  BOTTOM w3.62: v20(2182.8,1161) 2183.8,1161 2243.8,1101 2262.8,1101 2289.8,1074 2289.8,1038 2299.8,1028 2353.8,1028 2360.8,1035 2360.8,1063 2377.8,1080 v15(2377.8,1081)
A17_PMIC_ON_REQ: R707.1 R2613.1 R2945.1 R3021.2 R3022.2 | length 3292.6
  TOP w3.62: 1702.8,999.49 1702.8,966 1716.8,952 v11(1716.8,948)
  ART03 w3.09: v11(1716.8,948) 1722.3,942.5 1799.8,942.5 1835.3,907 1977,907 1990,894 2063,894 2071,902 2132,902 2158,928 2310.8,928 2371.8,989 2478.17,989 2554.36,957.44 2564.8,947 2564.8,919 v39(2599.8,884)
  ART06 w4: v4(2442.8,2360.51) 2480.29,2398 2684.8,2398 2703.8,2379 2703.8,2212 2794.8,2121 2794.8,1923 2712.8,1841 v4(2712.8,1826) 2712.8,1743 2675.8,1706 2675.8,1683 2652.8,1660 2652.8,1629 2601.8,1578 2601.8,1540 2613.71,1528.09 2613.71,1503.08 2606.8,1496.17 2566.8,1399.59 2566.8,1372 2586.8,1352 2586.8,925 2599.8,912 v39(2599.8,884)
  BOTTOM w3.62: R3021.2@2417.8,2384.49 R3022.2@2417.8,2360.51 v4(2442.8,2360.51) ; R2945.1@2562.8,1770.51 2668.31,1770.51 2697.8,1800 2697.8,1811 v4(2712.8,1826)
  BOTTOM w10: v39(2599.8,884) 2642.31,884 2652.31,894 2652.31,920
ADC_IN0: P12.3 U101.B19 | length 6092.2
  TOP w3.2: 694.92,1711.69 703.89,1702.72 717.68,1702.72 U101.B19@727.43,1692.97
  TOP w3.62: v4(664.51,1743) 664.51,1738.29 691.11,1711.69 694.92,1711.69
  ART06 w4: v4(664.51,1743) 664.51,1730.3 703.8,1691.01 703.8,1375.99 731.79,1348 1056.8,1348 1069.8,1335 1069.8,1237.5 1136.8,1170.5 1415.95,1170.5 1449.45,1137 1499.8,1137 1550.8,1086 1651.8,1086 v25(1672.8,1065)
  ART08 w3.09: v25(1672.8,1065) 1672.8,1054 1700.8,1026 1700.8,988 1748.8,940 1786.3,940 1836.3,890 1852.8,890 2013.3,729.5 2013.3,531.5 2052.8,492 2430.8,492 2648.8,710 2736.8,710 2744.5,717.7 3994.5,717.7 4106.8,830 4106.8,2149 4072.8,2183 3992.52,2183 P12.3@3947.13,2137.61
ADC_IN1: P12.4 U101.A20 | length 5893.6
  TOP w3.62: v4(682.8,1773) 679.8,1770 679.8,1738.01 696.72,1721.09 699.32,1721.09 U101.A20@707.75,1712.66
  ART06 w4: v4(682.8,1773) 679.8,1770 679.8,1739 721.09,1697.71 721.09,1376.71 735.8,1362 1067.8,1362 1086.8,1343 1086.8,1242 1147.3,1181.5 1421.22,1181.5 1454.22,1148.5 1507.8,1148.5 1557.3,1099 1666.8,1099 v25(1700.8,1065)